# KiCad board RoRo60.kicad_pcb (continued)
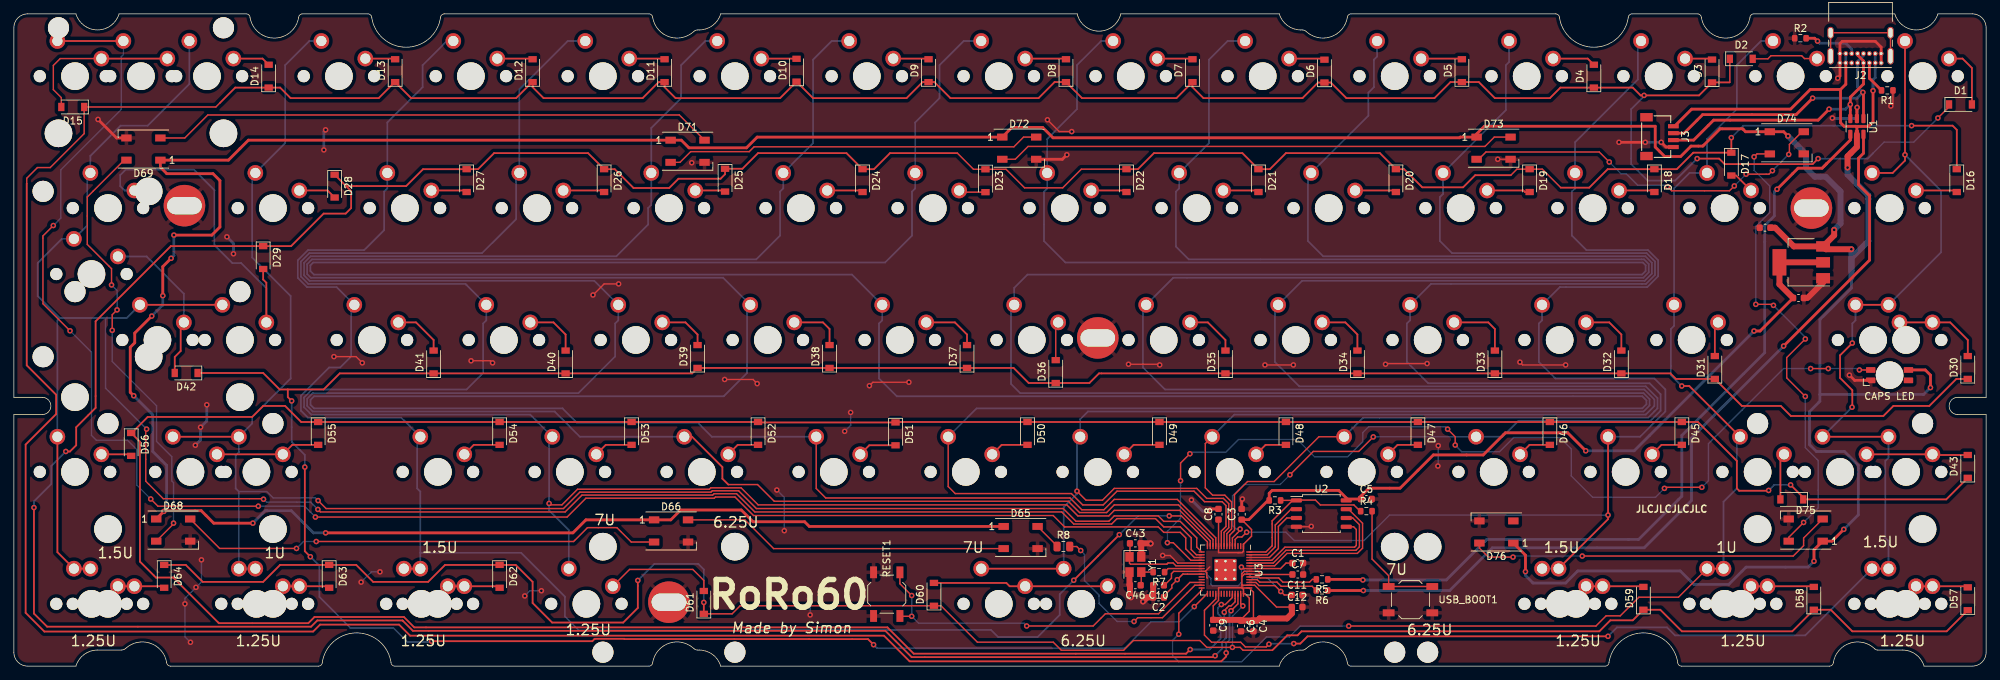
[diagram p0: board, top side]
## Routing (per net, layer and track width the routed paths; a pad name or vN(x,y) marks a point on that pad's centre or on a via; arc(x,y) is an arc through that point)
+1V1: length 42.2
  Top w0.2: v1(177.2,14.3) 177.41,14.09 U3.50 182.84,14.09 183.63,14.88 C1.1 ; U3.45 179.28,12.09 179.73,11.63 182.03,11.63 v1(182.88,10.78) 183.38,10.28 C11.1 ; U3.23 168.74,13.29 v1(167.94,12.49) 167.15,11.7 167.15,11.28 166.01,10.14 C2.1
  Bottom w0.2: v1(182.88,10.78) 180.93,12.73 178.77,12.73 v1(177.2,14.3) 177.2,12.1 176.7,11.6 173,11.6 172.8,11.8 172.8,12.65 172.15,13.3 168.75,13.3 v1(167.94,12.49)
+3V3: length 187.1
  Top w0.2: 171.99,13.69 U3.22 167.43,13.69 167.1,13.36 167.1,12.7 166.08,11.68 C10.1 ; 171.99,13.69 172.63,14.33 ; 171.99,13.69 172.2,13.48 172.2,12.8 172.3,12.7 ; C8.1 173.9,21.15 U3.10 173.9,16.39 176.69,16.39 ; 177.27,11.73 177.27,11.33 ; 177.27,11.73 177.27,12.93 ; 177.27,11.73 177.31,11.69 U3.44 179.11,11.69 182.27,8.53 C12.1 ; 177.27,11.33 173.93,11.33 173.9,11.29 U3.33 173.9,9.48 173.13,8.72 C9.1 ; 177.27,11.33 177.31,11.29 ; 177.27,12.93 177.27,13.37 177.59,13.69 U3.49 179.58,13.69 180.03,13.23 ; 177.27,12.93 177.62,13.29 U3.48 179.98,13.29 180.03,13.23 ; 180.03,13.23 C7.1 ; 177.11,16.39 176.69,16.39 ; 176.69,16.39 177.3,16.39 177.5,16.59 U3.1 177.5,17.6 178.66,18.76 178.66,19.73 C3.1 ; 177.31,11.29 177.5,11.1 U3.42 177.72,10.45 178.33,9.83 178.33,7.93 177.13,6.73 C6.1 ; 177.31,11.29 U3.43 178.93,10.69 C4.1
  Top w0.4: v1(251.2,48.4) 252.07,48.4 C45.1 ; 181.03,23.93 178.26,21.16 C3.1 ; R3.2 181.21,24.96 181.63,25.38 191.23,25.38 192.33,24.28 U2.8 192.53,24.13 C5.1 194.46,24.56 195.6,25.7 200.1,25.7 204.9,30.5 212.1,30.5 215.3,33.7 224.3,33.7 v1(226.9,31.1)
  Top w0.85: C9.1 177.03,6.68 C6.1 C4.1 179.49,6.58 179.8,6.89 183.77,6.89 184.48,7.6 184.48,8.51 C12.1 ; U4.2 U4.2 254.86,55.14 C45.1
  Bottom w0.4: v1(251.2,48.4) 233.9,31.1 v1(226.9,31.1)
GND: length 170
  Top w0.2: v1(102.6,41.4) 106.7,41.4 v1(107.3,40.8) ; v1(66,44.1) 68.8,44.1 v1(69.1,43.8) ; v1(184.7,43.5) v1(180.6,43.5) ; v1(87.3,55.2) 85.2,55.2 v1(83.6,53.6) ; v1(123.5,40.5) 124,41 v1(129.2,41) ; v1(50.3,43.8) 49.4,44.7 v1(46.2,44.7) ; R1.1 271.25,81.19 v1(270.94,80.89) ; D73.3 v1(214.2,73.2) ; v1(187.28,20.18) 187.23,20.13 U2.4 ; v1(217.4,43.9) 217.8,43.5 v1(224,43.5) ; v1(165.4,43.5) 165.3,43.6 v1(160.9,43.6) ; U3.19 168.01,14.89 166.91,15.98 v1(165.83,15.98) ; v1(149.2,78.9) 150.9,77.2 v1(152.7,77.2) ; v1(198,43.6) 198.1,43.7 v1(204,43.7)
  Top w0.4: v1(263.27,84.9) 263.59,85.22 J2.A12 J2.B1 263.59,89.89 263.94,90.23 268.7,90.23 269.54,89.39 J2.B12 J2.A1 ; v1(177.33,24.13) 177.23,24.03 C3.2 ; v1(237.8,75.65) 238.48,74.97 J3.4 ; v1(152,73.85) 151.35,73.2 D72.3 ; v1(172.26,22.37) 172.59,22.71 C8.2 ; v1(264.96,42.02) 265.72,41.27 CAPS LED.4 ; v1(235.5,75.65) v1(231.7,75.65) ; R2.1 257.06,90.71 ; v1(12.15,78.95) 14.83,76.27 D69.3 ; v1(266.07,80.69) 266.04,80.66 U1.2
  Top w0.85: 258.91,53.17 261.16,55.42 U4.1 ; v1(161.24,9.93) 161.11,10.06 C46.2 161.04,11.75 Y1.2 ; C10.2 C2.2 163.6,9.93 v1(163,9.32) ; Y1.4 162.74,17.65 C43.2 164.07,17.73 v1(164.1,17.7)
  Bottom w0.2: v1(119.93,33.91) 120.79,34.77 v1(120.79,36.64) ; v1(52.85,13.62) 51.62,13.62 v1(50.13,12.13) ; v1(110.14,25.44) 111.22,24.36 v1(111.22,19.56) ; v1(76.15,10.89) 74.5,10.89 v1(73.75,10.14) ; v1(205.61,31.84) 205.61,28.95 v1(205.56,28.9) ; v1(27.08,15.35) 27.08,12.17 v1(26.29,11.38) 24.7,9.79 v1(24.7,9) 24.7,4.24 v1(25.49,3.44) ; v1(114.85,9.75) 114.95,9.65 v1(114.95,7.4)
  Bottom w0.4: v1(266.07,80.69) 266.07,79.32 265.85,79.1 262.55,79.1 v1(262.5,79.15) ; v1(30.75,62) 31.7,61.05 v1(31.7,59.55) ; v1(27.85,37.75) 27.85,35.4 v1(26.95,34.5) 26.95,32.65 v1(26.2,31.9) ; v1(45,77.45) 44.75,77.2 v1(44.75,74.55) ; v1(172.26,22.37) 171.62,22.37 v1(169.99,24) ; v1(237.8,75.65) v1(235.5,75.65)
  vias: v1(97.85,72.7)
VBUS: length 682.7
  Top w0.2: 263.64,78.52 264.2,77.96
  Top w0.4: v1(19.9,50.55) 17.45,48.1 17.45,46.7 16.8,46.05 16.8,39.55 v1(17.3,39.05) ; v1(259.85,15.15) 259.85,16.8 D75.1 262.45,18.05 v1(264.15,19.75) ; v1(22.7,58.9) 21.5,57.7 v1(21.5,53.5) ; 263.68,83.28 259.32,83.28 256.48,80.44 242.19,80.44 239.72,77.97 J3.1 ; 263.68,83.28 263.68,78.48 264.2,77.96 265.89,77.96 266.04,77.81 ; 263.68,83.28 264.44,84.04 J2.A9 ; v1(276.66,40.22) 276.66,42.02 275.91,42.77 273.49,42.77 CAPS LED.1 ; v1(23.1,62.25) 28.58,62.25 29.74,63.41 29.74,70.12 28.75,71.12 22.08,71.12 21.15,72.05 D69.1 30.98,73.07 33.86,75.96 D71.1 96.34,75.96 97.45,74.85 105.75,74.85 107.3,76.4 D72.1 144.08,77.8 148.5,77.8 150,76.3 208.7,76.3 208.8,76.4 D73.1 211.15,76.85 212.27,77.97 236.93,77.97 236.93,74.97 238.3,73.6 240.6,73.6 242.1,75.1 243.8,75.1 246.3,77.6 249.55,77.6 249.98,77.17 D74.1 255.48,77.17 v1(256.1,76.55) ; v1(45,19.25) 80.7,19.25 82.58,21.12 D66.1 94.83,21.12 96.25,22.55 105,22.55 106.7,20.85 114.15,20.85 114.83,20.17 D65.1 ; v1(268.37,83.1) 268.37,78.6 267.71,77.94 266.17,77.94 266.04,77.81 ; v1(218.2,13.65) 218.2,16.02 D76.1 ; 266.04,77.81 U1.5 ; v1(34.5,20.65) 28.85,20.65 27.05,22.45 21.75,22.45 v1(21.65,22.35) D68.1
  Top w0.85: U4.3 262.76,62.22 v1(262.76,63.01) ; U4.3 256.94,60.62 254.24,63.32 C44.1 ; U4.3 261.58,60.2 v1(265.25,60.2) ; v1(264.69,72) 264.69,73.63 266.04,74.98 U1.5
  Bottom w0.4: J2.A9 J2.B4 ; 260.7,39.24 260.7,50.05 265.25,54.6 265.25,56.13 ; 260.7,39.24 260.7,38.25 259.2,36.75 259.2,32 260.2,31 264.25,31 266.25,29 266.25,21.85 v1(264.15,19.75) ; 260.7,39.24 275.68,39.24 v1(276.66,40.22) ; v1(21.65,22.35) 22.05,22.75 22.05,29 20.05,31 20.05,36.3 v1(17.3,39.05) ; v1(19.9,50.55) 21.5,52.15 v1(21.5,53.5) ; v1(259.85,15.15) 259,14.3 250.05,14.3 247.55,11.8 242.5,11.8 240.55,13.75 225.75,13.75 224,12 219.3,12 218.2,13.1 v1(218.2,13.65) ; J2.B9 J2.A4 268.69,85.01 268.37,84.68 v1(268.37,83.1) ; v1(45,19.25) 43.25,19.25 40.05,22.45 36.3,22.45 v1(34.5,20.65) ; v1(22.7,58.9) 23.1,59.3 v1(23.1,62.25)
  Bottom w0.85: v1(262.76,63.01) 263.68,63.92 263.68,68.54 261.54,70.68 259.97,70.68 258.7,71.95 258.7,73.95 256.1,76.55 v1(256.1,76.55) ; 265.25,57.07 265.25,60.2 v1(265.25,60.2) ; 265.25,57.07 265.25,58.97 ; 265.25,57.07 265.25,58.94 267.69,61.38 267.69,67.99 264.69,70.98 v1(264.69,72) ; 265.25,57.07 265.25,56.13
/QSPICLK: length 22.4
  Top w0.2: U3.52 181.79,14.89 183.63,16.73 193.73,16.73 194.23,17.23 194.23,20.43 193.27,21.4 U2.6
/QSPISD0: length 20.3
  Top w0.2: U3.53 181.59,15.29 183.48,17.18 193.53,17.18 193.78,17.43 193.78,19.73 193.39,20.13 U2.5
/QSPISD2: length 11
  Top w0.2: U2.3 183.75,21.4 182.53,20.18 182.53,16.98 181.24,15.69 U3.54
/QSPISD3: length 24.2
  Top w0.2: U3.51 181.99,14.49 183.78,16.28 193.93,16.28 194.68,17.03 194.68,20.63 192.65,22.67 U2.7
/QSPISS: length 24.2
  Top w0.2: U2.1 184.59,23.94 181.63,20.98 181.63,17.38 180.74,16.49 U3.56 ; U2.1 185.18,23.98 187.88,23.98 188.58,23.28 193.43,23.28 194.33,22.38 R4.1 ; U2.1 182.86,23.94 R3.1
/RESET: length 53.8
  Top w0.2: RESET1.2 127.9,11.9 v1(129.6,10.2) ; RESET1.2 127.95,7.2 v1(129.6,7.2) ; U3.26 169.76,12.09 165.24,7.57 157.56,7.57 155.8,5.8 v1(146.2,5.8)
  Bottom w0.2: v1(129.6,10.2) v1(129.6,7.2) 130.6,6.2 145.8,6.2 v1(146.2,5.8)
/SQPISD1: length 11.4
  Top w0.2: U2.2 184.37,22.67 182.08,20.38 182.08,17.23 180.94,16.09 U3.55
/USB+: length 38.2
  Top w0.4: J2.B6 266.14,88.25 266.99,87.4 J2.A6 266.99,84.07 266.99,84.07 265.09,82.17 v1(265.09,81.12) U1.3 ; v1(262.03,80.44) 260.44,78.85 245.36,78.85 242.48,75.97 J3.3
  Bottom w0.4: v1(265.09,81.12) 264.41,80.44 v1(262.03,80.44)
/USB-: length 41.6
  Top w0.4: J3.2 241.1,76.97 243.78,79.64 257.27,79.64 v1(259.65,82.02) ; v1(266.91,82.86) 266.99,82.78 U1.1
  Bottom w0.2: J2.A7 266.14,87.39 266.99,88.24 J2.B7
  Bottom w0.4: J2.B7 266.99,88.17 266.14,87.32 J2.A7 266.14,83.63 v1(266.91,82.86) 266.08,82.02 v1(259.65,82.02)
/XIN: length 13.6
  Top w0.2: U3.20 167.75,14.49 167.34,14.9 166.61,14.9 166.44,14.72 161.19,14.72 161.04,14.87 Y1.1 161.11,15.85 C43.1
/XOUT: length 5.6
  Top w0.2: U3.21 166.62,14.09 R7.1
CAPS_LED: length 142.7
  Top w0.2: v1(243.66,25.82) 238.41,25.82 v1(238.26,25.67) ; v1(169.76,30.67) 168.41,29.32 v1(168.41,26.77) ; v1(259.36,42.97) v1(261.91,42.97) ; v1(166.51,17.82) 167.36,17.82 169.9,15.29 U3.18 ; v1(206.96,34.22) 208.06,33.12 v1(208.06,31.92) ; v1(266.41,42.77) CAPS LED.3
  Bottom w0.2: v1(208.06,31.92) 209.01,30.97 214.46,30.97 216.51,33.02 223.16,33.02 224.81,31.37 224.81,27.47 227.91,24.37 236.96,24.37 v1(238.26,25.67) ; v1(261.91,42.97) 266.2,42.97 v1(266.41,42.77) ; v1(168.41,26.77) 168.41,21.37 166.51,19.47 v1(166.51,17.82) ; v1(206.96,34.22) 206.61,34.57 195.56,34.57 194.71,33.72 194.71,32.42 192.51,30.22 187.76,30.22 185.26,32.72 176.76,32.72 174.91,30.87 169.96,30.87 v1(169.76,30.67) ; v1(259.36,42.97) 255.46,42.97 244.61,32.12 244.61,26.77 v1(243.66,25.82)
COL0: length 217.2
  Top w0.2: U3.32 173.5,9.7 171.86,8.06 171.86,4.48 172.9,3.45 177.1,3.45 177.77,2.78 180.79,2.78 v1(181.18,3.17)
  Top w0.25: v1(265.38,46.66) 263.61,44.89 263.61,41.62 265.38,39.86 265.38,37.43 ; v1(230.12,4.31) 186.75,4.31 185.7,3.26 v1(184.76,3.26) ; MX18.2 271.21,71.23 272.99,73.01 v1(272.99,73.85) MX1.2 ; MX47.2 MX48.2 ; MX34.2 MX32.2 ; MX71.2 MX63.2
  Bottom w0.25: MX48.2 v1(265.34,37.39) ; v1(230.12,4.31) 231.41,5.6 238.64,5.6 239.8,4.44 258.58,4.44 MX71.2 ; MX63.2 270.6,18.06 270.14,18.52 270.14,29.64 270.6,30.1 MX47.2 ; 181.27,3.26 184.48,3.26 ; MX32.2 278.19,59.76 278.19,68.65 v1(272.99,73.85) ; v1(265.38,46.66) 265.38,49.48 265.84,49.94 MX34.2
COL1: length 187.5
  Top w0.2: U3.28 171.46,10.94 168.16,7.64 v1(168.16,4.61) ; v1(192.69,5.79) 228.37,5.79 229.85,7.27 231.89,7.27 234.57,9.95 240.28,9.95 MX72.2
  Top w0.25: MX49.2 241.85,40.46 v1(240.76,40.46) ; MX72.2 MX64.2
  Bottom w0.2: v1(168.16,4.61) 167.27,3.72 167.27,1.5 168.13,0.64 177.23,0.64 180.81,4.22 184.12,4.22 185.69,5.79 v1(192.69,5.79)
  Bottom w0.25: MX49.2 248.71,32.67 248.71,25.67 246.79,23.75 MX64.2 ; MX2.2 252.21,90.28 248.71,86.79 248.71,80.44 244.41,76.13 MX19.2 241.89,71.23 239.65,68.99 MX35.2 239.65,49.15 239.19,48.69 239.19,42.03 v1(240.76,40.46)
COL2: length 189.9
  Top w0.2: v1(177.95,19.34) 177.26,18.65 176.65,18.65 176.3,18.3 U3.4
  Top w0.25: MX50.2 v1(230.12,21.81) 230.12,21.22 MX65.2
  Bottom w0.2: v1(177.95,19.34) 183.63,19.34 184.83,18.14 194.9,18.14 198.57,21.81 v1(230.12,21.81)
  Bottom w0.25: MX50.2 234.74,33.13 238.39,36.78 238.39,39.96 236.81,41.54 222.52,41.54 220.14,43.92 220.14,49.48 220.6,49.94 MX36.2 223.16,54.75 235.78,54.75 237.35,56.31 237.35,58.63 235.88,60.09 226.99,60.09 224.9,62.18 224.9,68.53 225.36,68.99 MX20.2 225.36,75.66 234.43,84.72 234.43,89.82 MX3.2 ; MX73.2 MX65.2
COL3: length 229.2
  Top w0.2: v1(196.23,33.1) 194.14,31.01 187.58,31.01 v1(184.2,27.63) ; v1(177.01,19.8) 177.01,19.62 175.9,18.51 U3.5
  Bottom w0.2: v1(196.23,33.1) 196.26,33.13 MX51.2 ; v1(177.01,19.8) 176.42,19.8 175.92,20.3 175.92,24.59 177.57,26.24 182.81,26.24 v1(184.2,27.63)
  Bottom w0.25: MX4.2 215.84,87.25 215.38,86.79 215.38,80.29 MX21.2 206.31,68.2 205.85,67.74 205.85,61.39 207.6,59.64 235.7,59.64 236.9,58.44 236.9,56.5 235.6,55.2 235.06,55.2 204.56,55.2 MX37.2 201.55,49.94 201.09,49.48 201.09,43.92 204.16,40.86 236.12,40.86 237.71,39.27 237.71,36.89 236.25,35.43 217.2,35.43 214.9,33.13 MX51.2
COL4: length 282.6
  Top w0.2: MX52.2 188.39,33.13 181.92,26.66 178.08,26.66 176.2,24.78 176.2,19.61 176.04,19.45 176.03,19.45 175.49,18.91 175.49,17.86 U3.6
  Bottom w0.25: MX52.2 194.77,35.88 235.9,35.88 237.26,37.23 237.26,38.71 235.56,40.41 185.56,40.41 182.04,43.92 182.04,51.72 MX38.2 185.96,55.65 235.41,55.65 236.45,56.68 236.45,58.25 235.51,59.19 189,59.19 186.8,61.39 186.8,70.77 MX22.2 195.53,79.5 195.53,82.82 196.33,83.61 196.33,87.58 196.79,88.04 MX5.2
COL5: length 351
  Top w0.2: U3.7 175.1,19.14 175.78,19.82 175.78,23.71 174.8,24.69 173.05,24.69 171.99,25.75 171.99,32.14 MX53.2
  Bottom w0.25: MX6.2 175.21,90.28 172.51,87.58 172.51,75.53 MX23.2 168.21,68.99 167.75,68.53 167.75,60.59 169.6,58.74 235.32,58.74 236,58.07 236,56.87 235.22,56.09 167.36,56.09 MX39.2 162.99,51.72 162.99,43.13 166.16,39.96 235.35,39.96 236.81,38.5 236.81,37.57 235.56,36.33 176.17,36.33 MX53.2
COL6: length 471.3
  Top w0.2: v1(153.46,25.26) 154.76,23.97 157.14,23.97 158.84,25.67 170.75,25.67 172.19,24.22 174.6,24.22 175.37,23.46 175.37,19.99 174.7,19.32 U3.8
  Top w0.25: MX74.2 MX66.2
  Bottom w0.25: MX7.2 156.96,90.28 153.46,86.79 153.46,80.44 149.16,76.13 MX24.2 149.16,68.99 148.7,68.53 148.7,61.39 151.79,58.29 235.14,58.29 235.55,57.88 235.55,57.06 235.04,56.54 146.32,56.54 144.4,54.62 MX40.2 143.94,51.72 143.94,40.75 145.26,39.42 235.25,39.42 236.11,38.56 236.11,37.64 235.25,36.78 155.05,36.78 153.92,35.65 MX54.2 153.46,32.67 v1(153.46,25.26) 153.46,24.87 151.54,22.95 MX66.2
COL7: length 490.1
  Top w0.2: MX55.2 134.87,25.93 135.89,24.92 152.66,24.92 154.29,23.29 157.26,23.29 159.24,25.27 170.36,25.27 171.88,23.75 174.41,23.75 174.97,23.19 174.97,20.17 174.3,19.5 U3.9
  Bottom w0.25: MX8.2 137.11,90.28 133.62,86.79 133.62,82.02 130.11,78.52 MX25.2 130.11,68.99 129.65,68.53 129.65,62.18 125.76,58.29 43.21,58.29 42.8,57.88 42.8,57.06 43.31,56.54 120.98,56.54 MX41.2 125.35,49.94 124.89,49.48 124.89,41.54 127.46,38.97 235.06,38.97 235.66,38.37 235.66,37.83 235.06,37.23 138.97,37.23 MX55.2
COL8: length 391.7
  Top w0.2: U3.11 173.5,18.53 167.95,24.08 158.84,24.08 157.34,22.58 154.17,22.58 152.46,24.29 117.19,24.29 115.82,25.65 MX56.2
  Bottom w0.25: MX56.2 100.76,33.13 98.69,35.19 81.23,35.19 79.2,37.23 43.34,37.23 42.83,37.74 42.83,38.46 43.34,38.97 102.47,38.97 105.84,42.34 105.84,51.72 MX42.2 102.38,56.09 42.87,56.09 42.34,56.62 42.34,58.05 43.03,58.74 107.16,58.74 110.6,62.18 110.6,68.53 111.06,68.99 MX26.2 115.36,75.53 115.36,87.58 118.06,90.28 MX9.2
COL9: length 329.8
  Top w0.2: 103.13,26.22 107.35,26.22 109.77,23.81 152.21,23.81 153.84,22.18 157.74,22.18 158.84,23.29 168.11,23.29 173.1,18.3 U3.12
  Top w0.25: 103.13,26.22 102.28,27.07 102.28,28.75 97.9,33.13 MX57.2
  Bottom w0.25: MX57.2 81.71,33.13 78.06,36.78 43.14,36.78 42.34,37.57 42.34,38.61 43.15,39.42 81.49,39.42 86.79,44.72 86.79,49.48 87.25,49.94 MX43.2 83.78,55.65 42.68,55.65 41.89,56.44 41.89,58.24 42.84,59.19 86.97,59.19 91.55,63.77 91.55,66.15 92.01,66.61 MX27.2 92.01,77.72 96.31,82.02 96.31,86.79 99.81,90.28 MX10.2
COL10: length 293.5
  Top w0.2: U3.13 172.7,18.1 168.3,22.49 158.84,22.49 158.05,21.7 153.59,21.7 152,23.29 107.44,23.29 104.98,25.75 100.6,25.75 100.4,25.55 81.37,25.55 79.11,23.29 77.47,23.29 v1(77.26,23.49)
  Bottom w0.25: MX67.2 80.1,19.65 77.26,22.49 v1(77.26,23.49) 77.26,32.67 MX58.2 75.66,35.19 75.66,35.21 74.54,36.33 42.95,36.33 41.89,37.39 41.89,38.8 43.05,39.96 65.36,39.96 67.74,42.34 67.74,49.48 68.2,49.94 MX44.2 65.34,55.04 65.34,55.05 65.2,55.2 42.5,55.2 41.44,56.25 41.44,58.43 42.65,59.64 67.58,59.64 72.5,64.56 72.5,70.77 MX28.2 72.96,83.28 79.96,90.28 MX11.2
COL11: length 250.2
  Top w0.2: v1(166.78,21.7) 168.53,21.7 172.3,17.94 U3.14
  Top w0.25: v1(152.99,12.41) v1(159.58,18.99) ; MX68.2 MX75.2
  Bottom w0.2: v1(159.58,18.99) 162.29,21.7 v1(166.78,21.7)
  Bottom w0.25: MX12.2 62.5,90.28 59.01,86.79 59.01,83.61 53.91,78.52 MX29.2 53.91,68.99 53.45,68.53 53.45,62.97 50.57,60.09 42.47,60.09 40.99,58.61 40.99,56.07 42.31,54.75 46.58,54.75 MX45.2 48.69,51.72 48.69,44.72 47.1,43.13 45.51,43.13 41.44,39.06 41.44,36.89 42.45,35.88 55.93,35.88 MX59.2 58.21,32.67 58.21,25.67 58.67,25.21 58.67,16.36 ; 58.67,16.36 73.21,16.36 79.55,10.03 79.55,7.18 81.59,5.14 106.63,5.14 106.72,5.23 141.06,5.23 142.08,4.21 147.78,4.21 150.98,7.41 150.98,10.39 v1(152.99,12.41) ; 58.67,16.36 MX75.2
COL12: length 245.2
  Top w0.2: v1(43.92,23.91) 45.07,22.76 79.34,22.76 81.7,25.12 100.63,25.12 100.83,25.32 104.62,25.32 107.19,22.76 151.48,22.76 153.31,20.93 158.07,20.93 158.84,21.7 165.19,21.7 165.99,20.91 168.37,20.91 170.75,18.52 170.75,17.2 U3.15
  Top w0.25: MX60.2 MX62.2
  Bottom w0.2: 32.48,25.21 36.52,25.21 37.43,24.3 43.53,24.3 v1(43.92,23.91)
  Bottom w0.25: MX76.2 MX69.2 32.48,25.21 32.02,25.67 32.02,30.43 32.48,30.89 MX60.2 34.4,35.05 34.4,35.99 39.96,41.54 39.96,53.45 34.4,59.01 34.4,70.77 MX30.2 39.16,75.53 39.16,86.79 42.66,90.28 MX13.2
COL13: length 304.5
  Top w0.2: v1(36.04,24.11) 35.97,24.18 21.57,24.18 19.04,26.71 19.04,34.11 v1(19.16,34.23) ; v1(43.89,22.63) 44.25,22.27 79.58,22.27 82.01,24.7 100.88,24.7 101.08,24.9 104.33,24.9 106.96,22.27 151.26,22.27 153,20.53 158.47,20.53 159.24,21.3 164.8,21.3 165.99,20.11 168.37,20.11 169.96,18.52 169.96,16.83 170.69,16.09 U3.16
  Top w0.25: MX17.2 MX46.2 ; MX77.2 MX70.2 6.29,16.46 MX61.2
  Bottom w0.2: v1(43.89,22.63) 42.83,23.69 36.46,23.69 v1(36.04,24.11) ; 13.42,50.27 13.24,50.09 13.24,40.1 13.29,40.1 v1(19.16,34.23)
  Bottom w0.25: MX46.2 16.29,50.27 6.62,50.27 ; MX61.2 6.29,49.94 6.62,50.27 ; 6.62,50.27 3.44,53.45 3.44,58.21 6.94,61.7 MX33.2 10.59,63.63 10.59,70.77 MX31.2 11.05,73.7 15.41,78.06 19.32,78.06 25.34,84.07 MX14.2
COL14: length 248.1
  Top w0.2: v1(8.11,48.43) 4.2,52.34 4.2,62.13 v1(5.7,63.63) ; v1(19.76,24.14) 20.8,23.1 v1(35.29,23.1) ; v1(43.53,21.53) 79.86,21.53 82.58,24.25 101.1,24.25 101.28,24.42 104.1,24.42 106.78,21.75 150.03,21.75 151.68,20.09 151.7,20.11 165.19,20.11 165.99,19.32 168.37,19.32 169.16,18.52 169.16,16.94 170.41,15.69 U3.17
  Top w0.25: MX15.2 MX16.2
  Bottom w0.2: v1(8.11,48.43) 11.21,45.33 11.21,33.33 11.92,32.62 16.41,32.62 17.74,31.29 17.74,26.16 v1(19.76,24.14) ; MX16.2 15.81,88.29 15.52,88 15.52,80.41 6.78,71.67 6.78,64.71 v1(5.7,63.63) ; v1(35.29,23.1) 41.96,23.1 v1(43.53,21.53)
Data+: length 121.1
  Top w0.4: 261.67,72.55 265.09,75.98 U1.4 ; 261.67,72.55 261.03,71.91 257.55,71.91 v1(254.51,68.87) ; 261.67,72.55 261.27,72.16 ; R5.1 194.65,12.53 v1(194.73,12.45)
  Bottom w0.4: v1(254.51,68.87) 254.13,68.49 254.13,65.01 252.73,63.62 252.73,45.28 240.77,33.32 240.77,24.54 234.53,18.3 212.62,18.3 206.77,12.45 v1(194.73,12.45)
Data-: length 122.4
  Top w0.4: v1(194.8,10.92) 189.67,10.92 R6.1 ; v1(255.46,46.23) 267.87,58.63 267.87,67.94 266.28,69.53 266.28,73.36 266.99,74.07 U1.6
  Bottom w0.4: v1(194.8,10.92) 207.25,10.92 213.43,17.1 235.34,17.1 242.16,23.92 242.16,32.96 246.71,37.51 246.74,37.51 v1(255.46,46.23)
LED_DATA: length 28.6
  Top w0.2: R8.2 153.43,17.27 v1(154,16.7) ; U3.27 170.49,11.69 165.8,7 162.25,7 v1(161.7,6.45)
  Bottom w0.2: v1(161.7,6.45) 159.25,6.45 156.65,9.05 156.65,10.25 154.55,12.35 154.55,16.15 v1(154,16.7)
ROW0: length 594.4
  Top w0.2: 247.65,84.3 247.7,84.35 D2.1 ; U3.40 176.7,9 v1(175.7,8) ; 1.86,69.69 1.86,70.46 3.4,72 5.25,72 10.15,76.9 D15.1 29.16,80.75 29.73,81.32 ; v1(277.74,79.16) 279.35,80.77 D1.1
  Top w0.25: 1.86,69.69 1.86,43.44 6.1,39.2 6.1,36.4 1.7,32 1.7,7.7 4.4,5 43.2,5 44.2,6 55.6,6 57.2,4.4 125.6,4.4 129.3,0.7 174.3,0.7 175,1.4 v1(175,1.92) ; 247.65,84.3 D3.1 243.26,82.42 v1(235.32,82.42) 234.82,82.42 233.69,83.55 D4.1 223.25,83.55 221.73,82.02 213.79,82.02 211.47,84.34 D5.1 207.38,84.34 205.06,82.02 192.36,82.02 190.1,84.28 D6.1 188.26,84.28 186.01,82.02 171.72,82.02 170.13,83.61 D7.1 167.81,82.02 154.19,82.02 D8.1 150.23,84.34 147.91,82.02 135.21,82.02 132.89,84.34 D9.1 131.18,84.34 128.86,82.02 115.36,82.02 D10.1 110.6,82.02 95.52,82.02 93.93,83.61 D11.1 93.08,84.34 90.76,82.02 76.47,82.02 74.88,83.61 D12.1 74.82,84.34 72.5,82.02 57.36,82.02 D13.1 54.98,84.34 52.66,82.02 39.96,82.02 38.43,83.55 D14.1 31.96,83.55 29.73,81.32 ; v1(260.44,73.29) 259.65,72.5 246.95,72.5 246.16,73.29 v1(242.98,73.29)
  Bottom w0.2: 268.38,74.09 269.97,75.67 274.25,75.67 v1(277.74,79.16)
  Bottom w0.25: 268.38,74.09 267.59,73.29 v1(260.44,73.29) ; v1(175.7,8) 175.48,7.78 175.48,3.78 175,3.3 v1(175,1.92) ; v1(242.98,73.29) 239.81,70.12 235.84,70.12 233.46,72.5 233.46,80.44 235.44,82.42
ROW1: length 542.9
  Top w0.2: 216.09,70.9 216.96,71.77 D19.1 220.63,71.77 223.3,69.1 ; D22.1 154.09,71.77 151.4,69.07 145.9,69.07 143.23,71.75 D23.1 138.53,71.75 136.19,74.09 ; v1(174.72,7.78) 174.72,8.02 175.4,8.7 175.7,8.7 176.3,9.3 176.3,9.79 176.3,9.8 U3.39
  Top w0.25: 47.93,69.36 47.96,69.32 56.63,69.32 59.07,71.77 D27.1 67.01,71.77 69.33,74.09 82.88,74.09 D26.1 86.73,71.77 89.45,69.05 94.6,69.05 95.94,70.39 102.01,70.39 102.66,71.04 D25.1 105.17,71.83 107.43,74.09 120.19,74.09 D24.1 124.16,71.77 126.48,74.09 136.19,74.09 ; 47.93,69.36 D28.1 ; 47.93,69.36 48.69,68.59 48.69,66.15 47.89,65.36 44.72,65.36 40.02,60.66 D29.1 22.66,60.66 11.8,49.8 11.8,37.3 9,34.5 9,31.9 8.1,31 v1(7.5,31) ; v1(247.92,76.32) D17.1 242.43,74.15 240.04,71.77 D18.1 230.07,71.77 227.4,69.1 223.3,69.1 ; v1(2.9,22.9) 2.9,7.6 4.8,5.7 42.9,5.7 43.8,6.6 56.1,6.6 57.6,5.1 125.8,5.1 129.6,1.3 173.2,1.3 v1(173.4,1.5) ; 216.09,70.9 210.95,70.9 209.2,69.15 203.3,69.15 200.68,71.77 D20.1 197.18,74.09 183.63,74.09 181.31,71.77 D21.1 177.34,74.09 164.58,74.09 162.26,71.77 D22.1 ; D16.1 280.46,77.45 279.85,78.06 v1(273.94,78.06)
  Bottom w0.2: 174.72,5.88 174.8,5.8
  Bottom w0.25: v1(273.94,78.06) 249.65,78.06 v1(247.92,76.32) ; 175,5.6 175,4.1 174.4,3.5 174.4,2.5 v1(173.4,1.5) ; 175,5.6 174.8,5.8 ; 175,5.6 174.72,5.88 v1(174.72,7.78) ; v1(7.5,31) 5.4,28.9 5.4,26.3 2.9,23.8 v1(2.9,22.9)
ROW2: length 430.8
  Top w0.2: U3.29 172.25,10.45 v1(170.4,8.6)
  Top w0.25: v1(124.1,3.1) 123.3,3.9 114.8,3.9 114.79,3.91 88.14,3.91 88.1,3.95 83.85,3.95 83.5,3.6 v1(60.3,3.6) ; D42.1 35.99,42.34 38.37,39.96 39.54,39.96 ; v1(42,28.75) 42,16.6 v1(42.8,15.8) ; v1(40.1,38.3) 39.54,38.86 39.54,39.96 ; 39.54,39.96 44.72,39.96 47.04,42.27 D41.1 D40.1 97.9,42.27 D39.1 D38.1 D37.1 144.31,43.07 146.49,40.89 D36.1 155.25,40.89 156.64,42.27 D35.1 D34.1 D33.1 D32.1 239.13,42.27 239.92,41.48 D31.1 249.44,37.57 255.06,37.57 256.51,36.12 269.86,36.12 271.31,37.57 276.49,37.57 280.4,41.48 D30.1
  Bottom w0.2: 160.35,2.6 164.15,6.4 168.2,6.4 v1(170.4,8.6)
  Bottom w0.25: v1(40.1,38.3) 40.1,32.4 42,30.5 v1(42,28.75) ; v1(42.8,15.8) 44.1,14.5 44.1,10 48.6,5.5 54.8,5.5 56.8,3.5 60.2,3.5 v1(60.3,3.6) ; 160.35,2.6 124.6,2.6 v1(124.1,3.1)
ROW3: length 466.9
  Top w0.2: U3.38 175.9,9.92 174.88,8.9 v1(174.3,8.9)
  Top w0.25: D43.1 278.94,24.08 D44.1 258.3,24.35 v1(256.48,26.17) ; v1(253.3,25.37) 253.25,25.33 249.05,25.33 248.71,25.67 248.71,29.64 243.09,35.26 D45.1 D46.1 D47.1 D48.1 D49.1 D50.1 127.33,35.26 D51.1 107.49,35.19 D52.1 D53.1 D54.1 D55.1 41.48,35.26 39.16,37.57 35.99,37.57 34.4,35.99 19.32,35.99 17,33.67 D56.1 18.2,32.41 18.2,15.1 20.5,12.8 23,12.8 29.6,6.2 42.5,6.2 43.4,7.1 56.3,7.1 57.8,5.6 126.1,5.6 129.9,1.8 169.2,1.8 v1(169.8,2.4)
  Bottom w0.25: v1(169.8,2.4) 172.6,2.4 174.2,4 174.2,7.2 173.8,7.6 173.8,8.4 v1(174.3,8.9) ; v1(253.3,25.37) 254.1,26.17 v1(256.48,26.17)
ROW4: length 302.5
  Top w0.2: v1(177.4,8.7) 177.1,9 U3.41 ; 181.67,2.3 177.43,2.3 177.02,2.71 v1(175.9,2.71) 172.2,2.71 171.21,3.7 161.6,3.7 160.2,2.3 151.2,2.3 150.04,3.46 139.09,3.46 133.83,8.72 D60.1 104.84,8.72 103.67,7.55 D61.1
  Top w0.25: D64.1 24.81,14.62 27.26,12.17 35.99,12.17 38.43,14.62 D63.1 49.42,14.62 51.86,12.17 59.8,12.17 62.24,14.62 D62.1 72.44,14.62 74.88,12.17 74.88,9.12 77.7,6.3 87.96,6.3 90.07,8.41 v1(90.07,12.38) ; D57.1 279,5.03 265.38,5.03 262.27,8.14 D58.1 256.71,5.03 240.78,5.03 237.66,8.14 D59.1 233.69,6.62 230.46,6.62 228.87,5.03 185.88,5.03 185.31,4.45 183.82,4.45 181.67,2.3 ; v1(99.59,9.2) D61.1
  Bottom w0.2: v1(177.4,8.7) 175.9,7.2 v1(175.9,2.71)
  Bottom w0.25: v1(99.59,9.2) 99.59,13.97 98.8,14.76 92.45,14.76 v1(90.07,12.38)
Net-(C46-Pad1): length 3.7
  Top w0.2: C46.1 162.74,11.76 Y1.3 R7.2
Net-(D1-Pad2): length 9.1
  Top w0.25: MX1.1 281.29,87.74 282.65,86.38 D1.2
Net-(D2-Pad2): length 9.6
  Top w0.2: MX2.1 258.48,87.74 258.06,88.16 253.64,88.16 253.19,87.71 D2.2
Net-(D3-Pad2): length 4.2
  Top w0.25: MX3.1 245.44,87.74
Net-(D4-Pad2): length 6.3
  Top w0.25: MX4.1 227.19,87.74 D4.2
Net-(D5-Pad2): length 5.9
  Top w0.25: D5.2 208.93,87.74 MX5.1
Net-(D6-Pad2): length 5.2
  Top w0.25: D6.2 189.02,87.74 MX6.1
Net-(D7-Pad2): length 5.1
  Top w0.25: MX7.1 170.04,87.74 D7.2
Net-(D8-Pad2): length 5.9
  Top w0.25: D8.2 151.78,87.74 MX8.1
Net-(D9-Pad2): length 5.1
  Top w0.25: D9.2 131.94,87.74 MX9.1
Net-(D10-Pad2): length 5.1
  Top w0.25: D10.2 112.95,87.74 MX10.1
Net-(D11-Pad2): length 5.1
  Top w0.25: D11.2 93.84,87.74 MX11.1
Net-(D12-Pad2): length 5.1
  Top w0.25: D12.2 74.79,87.74 MX12.1
Net-(D13-Pad2): length 4.3
  Top w0.25: MX13.1 54.94,87.74 D13.2
Net-(D14-Pad2): length 5.5
  Top w0.25: MX14.1 35.89,87.74 D14.2
Net-(D15-Pad2): length 23.3
  Top w0.2: MX15.1 6.69,87.74 5.7,86.75 5.7,83.25 6.85,82.1 D15.2
  Top w0.25: MX16.1 MX15.1
Net-(D16-Pad2): length 6
  Top w0.25: MX18.1 280.24,68.69 D16.2
Net-(D17-Pad2): length 3.7
  Top w0.25: D17.2 248.6,70.85 MX19.1
Net-(D18-Pad2): length 5.2
  Top w0.25: MX20.1 236.59,68.69 D18.2
Net-(D19-Pad2): length 6.2
  Top w0.25: D19.2 218.13,68.47 217.91,68.69 MX21.1
Net-(D20-Pad2): length 6
  Top w0.25: MX22.1 199.28,68.69 D20.2
Net-(D21-Pad2): length 5.2
  Top w0.25: D21.2 179.44,68.69 MX23.1
Net-(D22-Pad2): length 5.2
  Top w0.25: MX24.1 160.39,68.69 D22.2
Net-(D23-Pad2): length 3.9
  Top w0.2: D23.2 136.7,68.45 MX25.1
Net-(D24-Pad2): length 5.2
  Top w0.25: D24.2 122.29,68.69 MX26.1
Net-(D25-Pad2): length 4.4
  Top w0.25: MX27.1 102.5,68.69 D25.2
Net-(D26-Pad2): length 6
  Top w0.25: MX28.1 84.98,68.69 D26.2
Net-(D27-Pad2): length 5.2
  Top w0.25: MX29.1 65.14,68.69 D27.2
Net-(D28-Pad2): length 5.5
  Top w0.25: MX30.1 45.29,68.69 D28.2
Net-(D29-Pad2): length 49.6
  Top w0.25: D29.2 35.99,55.83 36.45,55.37 MX17.1
  Bottom w0.25: 17.09,68.69 15.99,68.69 15.35,69.32 15.35,70.91 16.14,71.71 25.98,71.71 28.95,68.73 28.95,60.8 31.54,58.21 32.81,58.21 36.45,54.58 MX17.1
Net-(D30-Pad2): length 13.2
  Top w0.25: D30.2 282.05,47.1 279.51,49.64 MX32.1 MX34.1
Net-(D31-Pad2): length 5
  Top w0.25: D31.2 245.54,49.18 MX35.1
Net-(D32-Pad2): length 8.1
  Top w0.25: MX36.1 230.3,49.64 232.04,47.89 D32.2
Net-(D33-Pad2): length 9.4
  Top w0.25: D33.2 213.79,48.69 212.84,49.64 MX37.1
Net-(D34-Pad2): length 8.1
  Top w0.25: MX38.1 192.2,49.64 193.94,47.89 D34.2
Net-(D35-Pad2): length 7.7
  Top w0.25: MX39.1 172.35,49.64 174.89,47.1 D35.2
Net-(D36-Pad2): length 5.6
  Top w0.2: D36.2 150.39,49.29 MX40.1
Net-(D37-Pad2): length 8.1
  Top w0.25: D37.2 137.59,47.89 135.84,49.64 MX41.1
Net-(D38-Pad2): length 7.8
  Top w0.25: MX42.1 116.79,49.64 117.74,48.69 D38.2
Net-(D39-Pad2): length 7.3
  Top w0.25: MX43.1 96.95,49.64 98.69,47.89 D39.2
Net-(D40-Pad2): length 8.1
  Top w0.25: MX44.1 77.9,49.64 79.64,47.89 D40.2
Net-(D41-Pad2): length 7.7
  Top w0.25: MX45.1 58.05,49.64 60.59,47.1 D41.2
Net-(D42-Pad2): length 23.7
  Top w0.25: D42.2 23.23,44.66 24.08,45.51 24.08,49.18 MX46.1
  Bottom w0.25: MX46.1 24.54,53.78 19.16,59.16 MX33.1
Net-(D43-Pad2): length 14.7
  Top w0.25: MX48.1 MX47.1 277.05,30.49 D43.2
Net-(D44-Pad2): length 6.7
  Top w0.25: MX49.1 255,30.07 D44.2
Net-(D45-Pad2): length 4.9
  Top w0.25: MX50.1 237.84,31.96 D45.2
Net-(D46-Pad2): length 4.9
  Top w0.25: MX51.1 218.79,31.96 D46.2
Net-(D47-Pad2): length 4.9
  Top w0.25: D47.2 199.74,31.96 MX52.1
Net-(D48-Pad2): length 4.9
  Top w0.25: D48.2 180.69,31.96 MX53.1
Net-(D49-Pad2): length 5.7
  Top w0.25: D49.2 161.64,31.96 MX54.1
Net-(D50-Pad2): length 5.7
  Top w0.25: MX55.1 142.59,31.96 D50.2
Net-(D51-Pad2): length 5.6
  Top w0.25: D51.2 123.48,31.89 MX56.1
Net-(D52-Pad2): length 4.9
  Top w0.25: MX57.1 104.49,31.96 D52.2
Net-(D53-Pad2): length 5.7
  Top w0.25: MX58.1 85.44,31.96 D53.2
Net-(D54-Pad2): length 5.7
  Top w0.25: MX59.1 66.39,31.96 D54.2
Net-(D55-Pad2): length 15.2
  Top w0.25: MX62.1 MX60.1 40.2,31.96 D55.2
Net-(D56-Pad2): length 4.3
  Top w0.25: 16.94,30.49 16.84,30.59 MX61.1
Net-(D57-Pad2): length 7.5
  Top w0.25: D57.2 281.89,11.54 MX63.1 MX71.1
Net-(D58-Pad2): length 9.1
  Top w0.25: MX72.1 MX64.1 259.73,11.54 D58.2
Net-(D59-Pad2): length 8.3
  Top w0.25: D59.2 235.12,11.54 MX65.1 MX73.1
